# Altium PCB Beagle93.PCBDOC (part 3 of 7) (continued)
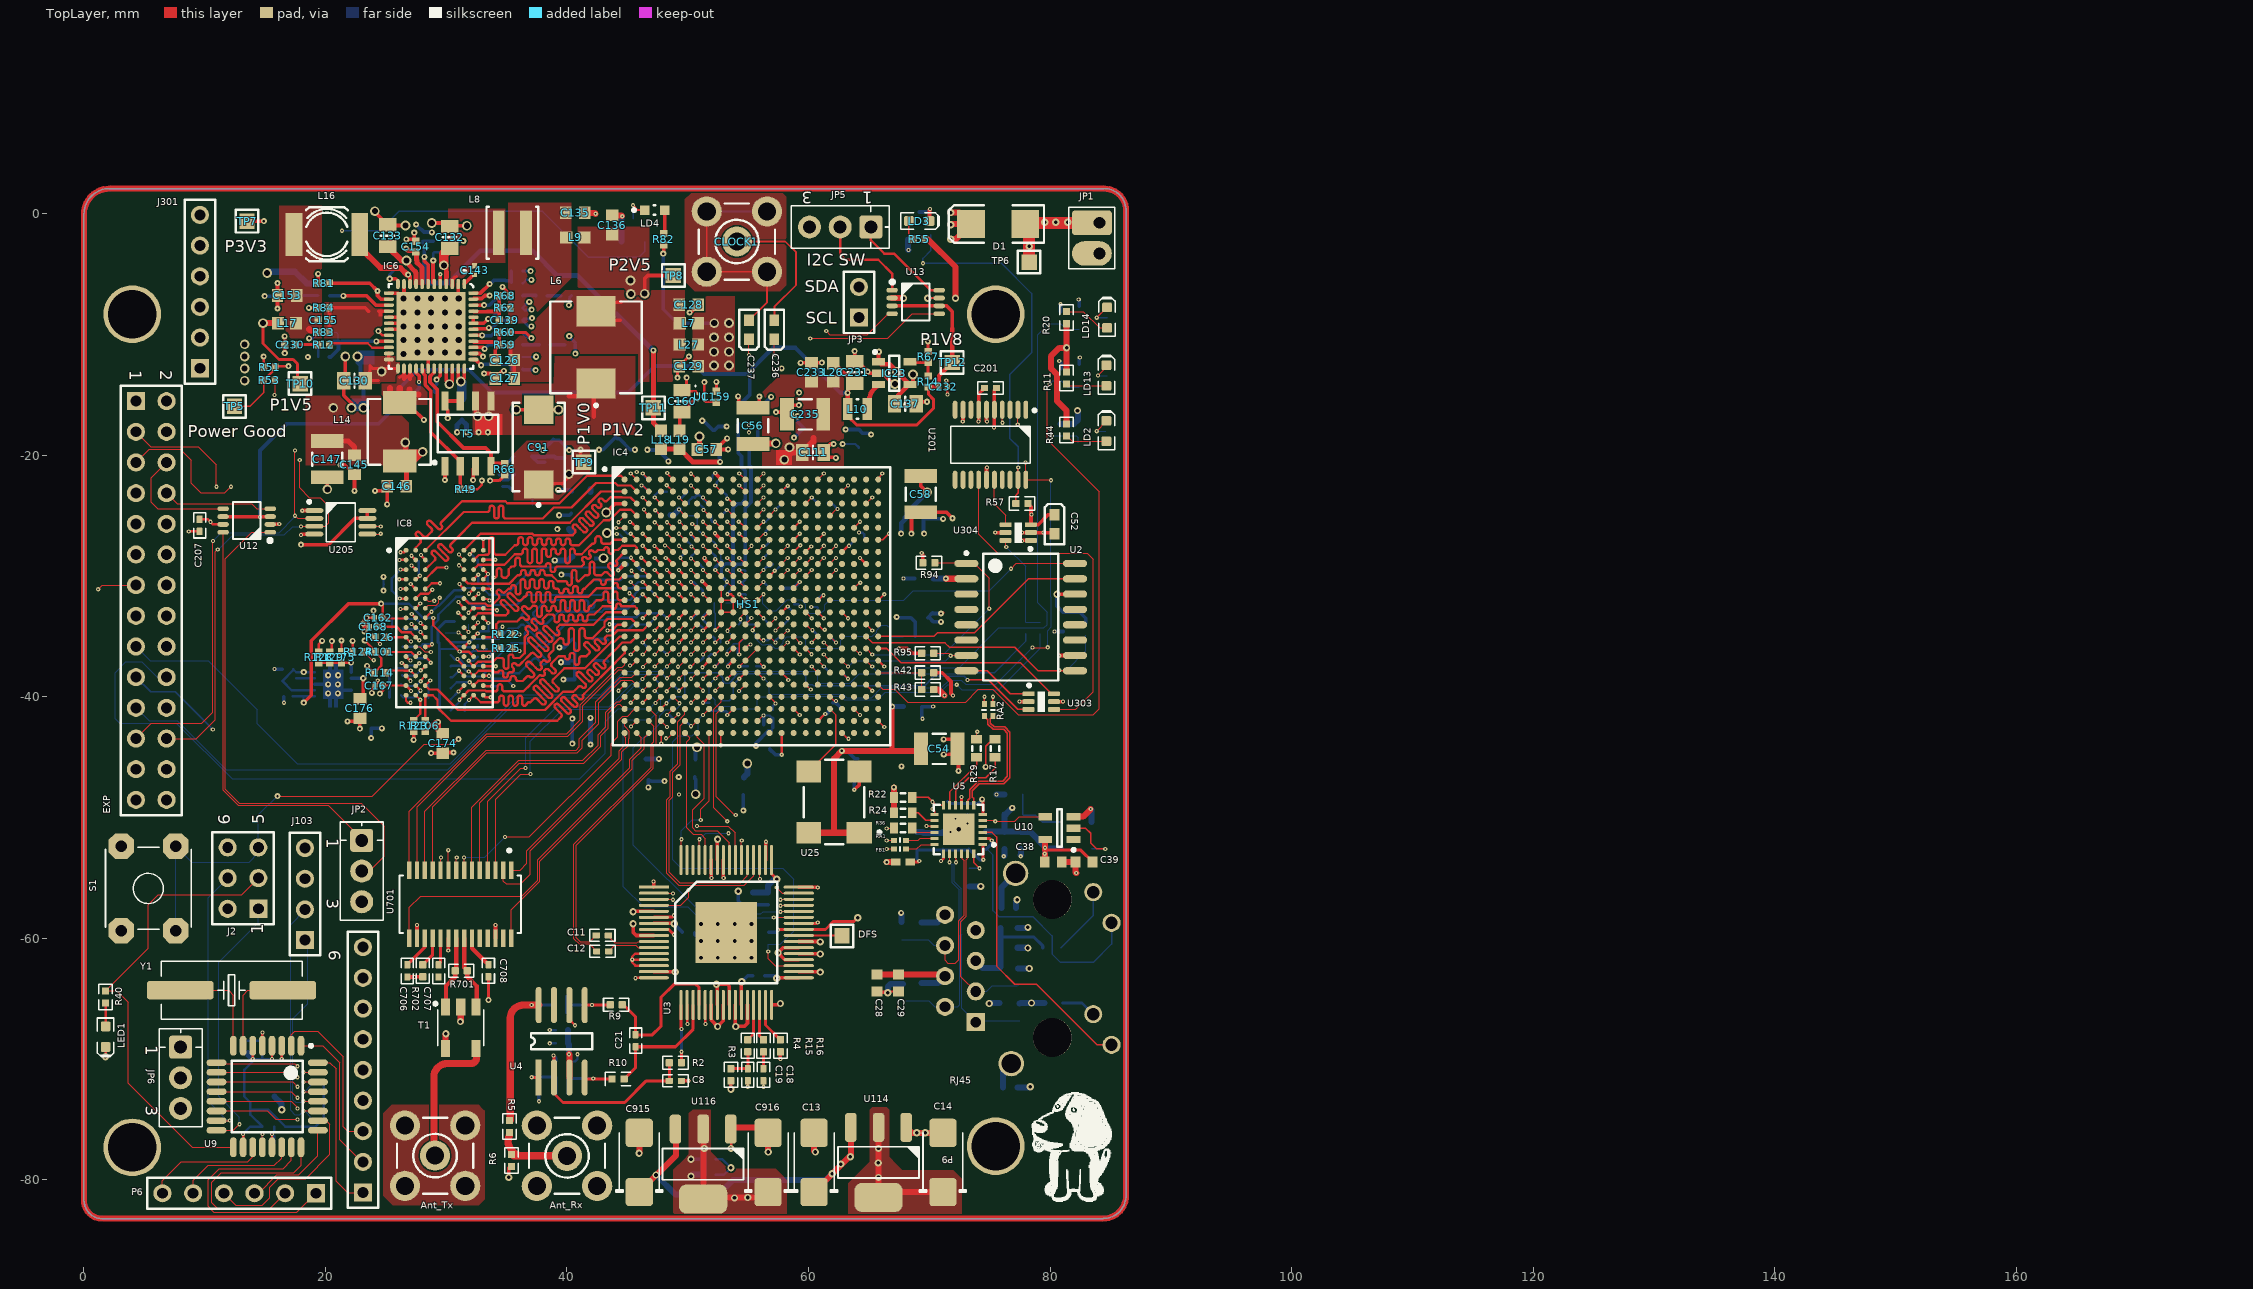
[diagram p0: TopLayer view]
## Nets (pads, with @x,y where several pads share a name; then routed paths per layer and width w, separated by ;. In a path a pad name is that pad's centre, name@x,y a point inside that pad or via, vN(x,y) a via of type N, cw(c..) or ccw(c..) an arc to the next point about the centre after c; other vN are vias at no path point) (continued)
  BottomLayer w0.19: R108.1@30.37,-40.18 v1(31.01,-39.54)
DDR3_A12: IC4.L3 IC8.N7 R107.1 | length 24
  TopLayer w0.19: v1(30.935,-36.865) 30.935,-36.919 IC8.N7@31.467,-37.451 ; v1(46.272,-31.485) IC4.L3@46.772,-31.985
  BottomLayer w0.19: R107.1@30.37,-36.525 30.775,-36.93 30.869,-36.93 v1(30.935,-36.865) 31.087,-36.865 31.642,-37.42 32.034,-37.42 32.039,-37.425 32.85,-37.425 32.85,-37.4 33.175,-37.075 33.85,-37.075 35.375,-35.55 36.701,-35.55 ccw(c36.492,-35.341) 36.701,-35.133 36.587,-35.019 cw(c36.796,-34.81) 36.587,-34.602 cw(c36.796,-34.81) 37.004,-34.602 37.327,-34.924 37.833,-35.431 ccw(c38.042,-35.222) 38.25,-35.431 ccw(c38.042,-35.222) 38.25,-35.013 37.744,-34.507 37.534,-34.298 cw(c37.743,-34.089) 37.534,-33.88 cw(c37.743,-34.089) 37.952,-33.88 ; 37.952,-33.881 ccw(c38.161,-33.673) 38.37,-33.881 38.426,-33.825 39.311,-32.94 42.875,-32.94 43.115,-32.7 45.057,-32.7 v1(46.272,-31.485)
DDR3_A13: IC4.R1 IC8.T3 R106.1 | length 28.4
  TopLayer w0.19: R106.1@28.25,-41.93 28.27,-41.91 IC8.T3@28.27,-39.854 ; IC8.T3@28.267,-39.851 28.876,-39.851 29.283,-40.258 29.283,-40.867 30.391,-41.975 32.4,-41.975 39,-41.975 39.188,-41.975 39.363,-41.8 39.501,-41.662 ccw(c39.363,-41.524) 39.501,-41.386 39.018,-40.903 cw(c39.155,-40.765) 39.018,-40.627 cw(c39.155,-40.765) 39.293,-40.627 39.915,-41.248 39.992,-41.325 ccw(c40.13,-41.187) 40.268,-41.325 ccw(c40.13,-41.187) 40.268,-41.05 40.191,-40.972 39.569,-40.351 cw(c39.707,-40.213) 39.569,-40.075 cw(c39.707,-40.213) 39.845,-40.075 40.466,-40.697 40.541,-40.771 ccw(c40.679,-40.633) 40.817,-40.771 ccw(c40.679,-40.633) 40.817,-40.495 40.742,-40.421 40.495,-40.174 cw(c40.633,-40.036) 40.495,-39.898 cw(c40.633,-40.036) 40.771,-39.898 41.018,-40.145 ccw(c41.14,-40.023) 41.262,-40.145 41.294,-40.113 ccw(c41.172,-39.991) 41.294,-39.869 41.432,-39.732 44.057,-37.107 44.057,-37.087 44.772,-36.371 IC4.R1@44.772,-35.985
DDR3_A14: IC4.N3 IC8.T7 R105.1 | length 26.9
  TopLayer w0.19: v1(31.093,-40.225) IC8.T7@31.467,-39.851 31.851,-39.467 33.226,-39.467 33.294,-39.535 34.05,-39.535 ccw(c34.05,-39.34) 34.245,-39.34 34.245,-39.145 cw(c34.44,-39.145) 34.44,-38.95 cw(c34.44,-39.145) 34.635,-39.145 34.635,-39.34 ccw(c34.83,-39.34) 34.83,-39.535 35.025,-39.535 35.415,-39.535 35.805,-39.535 36.195,-39.535 36.39,-39.535 36.528,-39.397 36.804,-39.121 37.013,-38.912 37.488,-38.437 37.55,-38.375 37.721,-38.204 cw(c37.778,-38.261) 37.836,-38.204 ccw(c37.973,-38.066) 38.111,-38.204 ccw(c37.973,-38.066) 38.111,-37.928 cw(c38.169,-37.871) 38.111,-37.814 38.192,-37.733 cw(c38.33,-37.871) 38.468,-37.733 38.736,-38.001 ccw(c38.874,-37.864) 39.012,-38.001 ccw(c38.874,-37.864) 39.012,-37.726 38.743,-37.457 cw(c38.881,-37.319) 38.743,-37.182 38.881,-37.044 39.157,-36.768 39.295,-36.63 39.45,-36.63 39.781,-36.63 cw(c39.781,-36.689) 39.84,-36.689 ccw(c40.035,-36.689) 40.035,-36.884 ccw(c40.035,-36.689) 40.23,-36.689 40.23,-36.63 40.23,-36.55 cw(c40.425,-36.55) 40.425,-36.355 cw(c40.425,-36.55) 40.62,-36.55 40.62,-36.63 40.62,-37.151 ccw(c40.815,-37.151) 40.815,-37.346 ccw(c40.815,-37.151) 41.01,-37.151 41.01,-36.825 cw(c41.205,-36.825) 41.205,-36.63 41.4,-36.63 41.595,-36.63 41.683,-36.542 41.821,-36.404 ccw(c41.683,-36.266) 41.821,-36.128 41.486,-35.793 cw(c41.624,-35.655) 41.486,-35.517 cw(c41.624,-35.655) 41.762,-35.517 42.235,-35.99 42.343,-36.098 ccw(c42.48,-35.96) 42.618,-36.098 ccw(c42.48,-35.96) 42.618,-35.822 42.511,-35.714 42.358,-35.562 cw(c42.496,-35.424) 42.358,-35.286 cw(c42.496,-35.424) 42.634,-35.286 42.786,-35.439 42.894,-35.546 ccw(c43.032,-35.408) 43.17,-35.546 ccw(c43.032,-35.408) 43.17,-35.271 cw(c43.278,-35.163) 43.17,-35.055 43.2,-35.025 43.316,-34.909 43.759,-34.909 44.184,-34.485 46.272,-34.485 IC4.N3@46.772,-33.985
  BottomLayer w0.19: R105.1@30.37,-41.125 31.093,-40.402 v1(31.093,-40.225)
DDR3_BA0: IC4.L5 IC8.M2 R101.1 | length 26.5
  TopLayer w0.19: R101.1@25.051,-36.281 26.494,-36.281 26.508,-36.267 26.826,-36.267 26.84,-36.281 27.097,-36.281 IC8.M2@27.467,-36.651 27.753,-36.365 v1(27.76,-36.365) ; v1(48.272,-31.485) IC4.L5@48.772,-31.985
  SignalLayer1 w0.24: v1(27.76,-36.365) 27.76,-35.969 28.23,-35.499 28.23,-35.495 30.175,-33.55 32.2,-33.55 32.425,-33.325 35.225,-33.325 37.575,-33.325 42.025,-33.325 42.675,-32.675 45.672,-32.675 45.972,-32.375 47.382,-32.375 v1(48.272,-31.485)
  BottomLayer w0.19: v1(48.272,-31.485) v1@48.272,-31.472
DDR3_BA1: IC4.M2 IC8.N8 R100.1 | length 26.5
  TopLayer w0.19: v1(31.861,-37) 31.861,-37.045 IC8.N8@32.267,-37.451 32.647,-37.071 32.904,-37.071 32.908,-37.067 33.226,-37.067 33.23,-37.071 33.887,-37.071 34.183,-36.775 34.378,-36.775 34.573,-36.775 cw(c34.573,-36.97) 34.768,-36.97 34.768,-37.476 ccw(c34.963,-37.476) 34.963,-37.671 ccw(c34.963,-37.476) 35.158,-37.476 35.158,-36.775 35.158,-36.67 cw(c35.353,-36.67) 35.353,-36.475 cw(c35.353,-36.67) 35.548,-36.67 ccw(c35.653,-36.67) 35.653,-36.775 35.938,-36.775 36.094,-36.775 36.5,-36.369 36.5,-36.174 36.5,-35.784 36.5,-35.65 36.5,-35.05 36.525,-35.025 36.583,-34.967 36.721,-34.829 ccw(c36.583,-34.691) 36.721,-34.553 36.639,-34.471 cw(c36.777,-34.333) 36.639,-34.195 cw(c36.777,-34.333) 36.915,-34.195 37.135,-34.415 37.166,-34.447 ccw(c37.304,-34.309) 37.442,-34.447 ccw(c37.304,-34.309) 37.442,-34.171 37.411,-34.139 37.126,-33.855 cw(c37.264,-33.717) 37.126,-33.579 cw(c37.264,-33.717) 37.402,-33.579 37.686,-33.864 37.718,-33.895 ccw(c37.856,-33.757) 37.994,-33.895 ccw(c37.856,-33.757) 37.994,-33.619 cw(c38.025,-33.588) 37.994,-33.556 38.1,-33.45 38.375,-33.175 38.57,-33.175 38.765,-33.175 cw(c38.765,-33.37) 38.96,-33.37 38.96,-33.619 ccw(c39.155,-33.619) 39.155,-33.814 ccw(c39.155,-33.619) 39.35,-33.619 39.35,-33.37 cw(c39.545,-33.37) 39.545,-33.175 cw(c39.545,-33.37) 39.74,-33.37 39.74,-33.551 ccw(c39.935,-33.551) 39.935,-33.746 ccw(c39.935,-33.551) 40.13,-33.551 40.13,-33.37 cw(c40.325,-33.37) 40.325,-33.175 cw(c40.325,-33.37) 40.52,-33.37 40.52,-33.551 ccw(c40.715,-33.551) 40.715,-33.746 ccw(c40.715,-33.551) 40.91,-33.551 40.91,-33.37 cw(c41.105,-33.37) 41.105,-33.175 cw(c41.105,-33.37) 41.3,-33.37 41.3,-33.551 ccw(c41.495,-33.551) 41.495,-33.746 ccw(c41.495,-33.551) 41.69,-33.551 41.69,-33.37 cw(c41.885,-33.37) 41.885,-33.175 42.08,-33.175 42.15,-33.175 42.255,-33.175 42.951,-32.479 43.1,-32.479 43.295,-32.479 43.653,-32.479 cw(c43.653,-32.511) 43.685,-32.511 ccw(c43.88,-32.511) 43.88,-32.706 ccw(c43.88,-32.511) 44.075,-32.511 44.075,-32.479 44.075,-32.449 cw(c44.27,-32.449) 44.27,-32.254 cw(c44.27,-32.449) 44.465,-32.449 ccw(c44.495,-32.449) 44.495,-32.479 44.855,-32.479 44.975,-32.479 45.604,-32.479 45.772,-32.647 IC4.M2@45.772,-32.985
  BottomLayer w0.19: v1(31.861,-37) 32.263,-37 R100.1@32.605,-36.659
DDR3_BA2: IC4.N4 IC8.M3 R99.1 | length 26.9
  TopLayer w0.19: IC8.M3@28.267,-36.651 28.724,-37.107 v1(28.724,-37.165) ; v1(47.272,-34.485) IC4.N4@47.772,-33.985
  SignalLayer1 w0.24: v1(28.724,-37.165) 28.724,-37.002 29.512,-36.213 29.512,-35.338 30.675,-34.175 30.68,-34.18 32.034,-34.18 32.149,-34.295 32.794,-34.295 33.134,-34.635 35.636,-34.635 35.891,-34.38 36.259,-34.38 36.379,-34.5 36.975,-34.5 ccw(c36.975,-34.23) 37.245,-34.23 cw(c37.515,-34.23) 37.515,-33.96 cw(c37.515,-34.23) 37.785,-34.23 37.785,-34.5 37.785,-34.78 ccw(c38.055,-34.78) 38.055,-35.05 ccw(c38.055,-34.78) 38.325,-34.78 38.325,-34.77 cw(c38.595,-34.77) 38.595,-34.5 39.33,-34.5 42.281,-34.5 43.251,-33.53 45.598,-33.53 46.068,-34 46.825,-34 47.272,-34.447 v1(47.272,-34.485)
  BottomLayer w0.19: R99.1@26.59,-36.58 26.615,-36.555 27.356,-36.555 27.586,-36.785 28.313,-36.785 28.693,-37.165 v1(28.724,-37.165)
DDR3_CAS_N: IC4.J6 IC8.K3 R103.1 | length 26.4
  TopLayer w0.19: v1(27.86,-34.615) 27.86,-34.644 IC8.K3@28.267,-35.051 ; v1(49.272,-29.485) IC4.J6@49.772,-29.985
  MidLayer2 w0.24: v1(27.86,-34.615) 29.26,-34.615 30.405,-33.47 32.255,-33.47 32.45,-33.275 35.15,-33.275 36.95,-31.475 41.8,-31.475 42.325,-30.95 44.125,-30.95 45.1,-29.975 45.133,-29.975 45.153,-29.995 48.762,-29.995 v1(49.272,-29.485)
  BottomLayer w0.19: R103.1@26.445,-34.35 26.48,-34.385 27.63,-34.385 v1(27.86,-34.615)
DDR3_CK_N: IC4.P4 IC8.K7 R121.2 | length 25.2
  TopLayer w0.095: v1@31.081,-34.665 IC8.K7@31.467,-35.051 ; v1(47.275,-35.425) 47.332,-35.425 IC4.P4@47.772,-34.985
  SignalLayer1 w0.115: v1(31.01,-34.665) 31.427,-35.082 32.068,-35.082 32.292,-35.306 32.292,-35.547 32.92,-36.175 34.568,-36.175 35.287,-36.894 36.331,-36.894 36.59,-36.635 40.306,-36.635 cw(c40.306,-36.775) 40.446,-36.775 40.446,-37.02 ccw(c40.821,-37.02) 41.196,-37.02 41.196,-35.479 cw(c41.336,-35.479) 41.476,-35.479 41.476,-37.02 ccw(c41.851,-37.02) 42.226,-37.02 42.226,-36.775 cw(c42.366,-36.775) 42.366,-36.635 42.59,-36.635 44.123,-35.103 46.889,-35.103 47.212,-35.425 v1(47.275,-35.425)
  BottomLayer w0.095: R121.2@29.925,-34.695 v1@30.979,-34.695
DDR3_CK_P: IC4.P5 IC8.J7 R120.2 | length 25.1
  TopLayer w0.095: IC8.J7@31.467,-34.251 31.472,-34.251 31.846,-34.625 v1(31.85,-34.625) ; v1(48.272,-35.485) IC4.P5@48.772,-34.985
  SignalLayer1 w0.115: v1(31.85,-34.625) 32.072,-34.847 32.166,-34.847 32.527,-35.209 32.527,-35.45 33.017,-35.94 34.665,-35.94 35.384,-36.659 36.234,-36.659 36.493,-36.4 40.306,-36.4 cw(c40.306,-36.775) 40.681,-36.775 40.681,-37.02 ccw(c40.821,-37.02) 40.961,-37.02 40.961,-35.479 cw(c41.336,-35.479) 41.711,-35.479 41.711,-37.02 ccw(c41.851,-37.02) 41.991,-37.02 41.991,-36.775 cw(c42.366,-36.775) 42.366,-36.4 42.493,-36.4 44.025,-34.868 47.114,-34.868 47.289,-35.043 47.433,-35.043 47.658,-35.267 47.658,-35.333 47.81,-35.485 v1(48.272,-35.485)
  BottomLayer w0.095: v1(31.85,-34.625) R120.2@31.85,-33.98
DDR3_CKE: IC4.L1 IC8.K9 R122.2 | length 25.4
  TopLayer w0.19: IC8.K9@33.067,-35.051 34.279,-35.051 R122.2@34.505,-34.825 34.15,-34.47 34.15,-33.968 34.368,-33.75 35.2,-33.75 35.875,-33.75 36.013,-33.612 36.151,-33.474 cw(c36.289,-33.612) 36.427,-33.474 36.522,-33.569 ccw(c36.66,-33.431) 36.798,-33.569 ccw(c36.66,-33.431) 36.798,-33.293 36.565,-33.06 36.321,-32.816 cw(c36.459,-32.678) 36.321,-32.54 cw(c36.459,-32.678) 36.597,-32.54 36.703,-32.646 ccw(c36.841,-32.509) 36.979,-32.646 37.116,-32.509 37.125,-32.5 37.175,-32.45 37.324,-32.45 cw(c37.324,-32.645) 37.519,-32.645 37.519,-33.165 ccw(c37.714,-33.165) 37.714,-33.36 ccw(c37.714,-33.165) 37.909,-33.165 37.909,-32.645 cw(c38.104,-32.645) 38.104,-32.45 cw(c38.104,-32.645) 38.299,-32.645 38.299,-32.701 ccw(c38.494,-32.701) 38.494,-32.896 ccw(c38.494,-32.701) 38.689,-32.701 38.689,-32.645 cw(c38.884,-32.645) 38.884,-32.45 cw(c38.884,-32.645) 39.079,-32.645 39.079,-32.701 ccw(c39.274,-32.701) 39.274,-32.896 ccw(c39.274,-32.701) 39.469,-32.701 39.469,-32.45 39.469,-32.174 cw(c39.664,-32.174) 39.664,-31.979 cw(c39.664,-32.174) 39.859,-32.174 39.859,-32.45 39.859,-32.701 ccw(c40.054,-32.701) 40.054,-32.896 ccw(c40.054,-32.701) 40.249,-32.701 40.249,-32.45 40.249,-32.174 cw(c40.444,-32.174) 40.444,-31.979 cw(c40.444,-32.174) 40.639,-32.174 40.639,-32.45 40.639,-32.701 ccw(c40.834,-32.701) 40.834,-32.896 ccw(c40.834,-32.701) 41.029,-32.701 41.029,-32.45 41.029,-32.174 cw(c41.224,-32.174) 41.224,-31.979 cw(c41.224,-32.174) 41.419,-32.174 41.419,-32.45 41.419,-32.701 ccw(c41.614,-32.701) 41.614,-32.896 ccw(c41.614,-32.701) 41.809,-32.701 41.809,-32.645 cw(c42.004,-32.645) 42.004,-32.45 42.469,-31.985 42.627,-31.985 42.822,-31.985 ccw(c42.822,-31.79) 43.017,-31.79 43.017,-31.459 cw(c43.212,-31.459) 43.212,-31.264 cw(c43.212,-31.459) 43.407,-31.459 43.407,-31.985 43.407,-32.005 ccw(c43.602,-32.005) 43.602,-32.2 ccw(c43.602,-32.005) 43.797,-32.005 43.797,-31.985 43.797,-31.459 cw(c43.992,-31.459) 43.992,-31.264 cw(c43.992,-31.459) 44.187,-31.459 44.187,-31.79 ccw(c44.382,-31.79) 44.382,-31.985 44.577,-31.985 IC4.L1@44.772,-31.985
DDR3_DQ0: IC4.G3 IC8.E3 | length 21
  TopLayer w0.19: IC8.E3@28.267,-31.051 28.291,-31.075 28.791,-30.575 v1(29.475,-30.575) ; v1(46.272,-27.485) IC4.G3@46.772,-27.985
  SignalLayer1 w0.24: v1(29.475,-30.575) 29.475,-29.196 30.016,-28.655 32.84,-28.655 33.345,-28.15 41.705,-28.15 42.025,-27.83 44.643,-27.83 44.988,-27.485 v1(46.272,-27.485)
DDR3_DQ1: IC4.J1 IC8.F7 | length 23.6
  TopLayer w0.19: IC8.F7@31.467,-31.851 31.875,-32.259 33.236,-32.259 33.411,-32.435 33.759,-32.435 33.927,-32.266 34.203,-31.99 34.341,-31.852 ccw(c34.203,-31.714) 34.341,-31.577 34.219,-31.454 cw(c34.356,-31.316) 34.219,-31.178 cw(c34.356,-31.316) 34.494,-31.178 34.617,-31.301 ; 34.617,-31.301 ccw(c34.755,-31.163) 34.893,-31.301 35.03,-31.163 35.168,-31.025 35.271,-31.025 ccw(c35.271,-30.933) 35.363,-30.933 cw(c35.558,-30.933) 35.558,-30.738 cw(c35.558,-30.933) 35.753,-30.933 35.753,-31.025 35.753,-31.31 ccw(c35.948,-31.31) 35.948,-31.505 ccw(c35.948,-31.31) 36.143,-31.31 36.143,-31.025 36.143,-30.436 cw(c36.338,-30.436) 36.338,-30.241 cw(c36.338,-30.436) 36.533,-30.436 36.533,-30.83 ccw(c36.728,-30.83) 36.728,-31.025 ccw(c36.728,-30.83) 36.923,-30.83 36.923,-30.436 cw(c37.118,-30.436) 37.118,-30.241 cw(c37.118,-30.436) 37.313,-30.436 37.313,-30.83 ccw(c37.508,-30.83) 37.508,-31.025 ccw(c37.508,-30.83) 37.703,-30.83 37.703,-30.436 cw(c37.898,-30.436) 37.898,-30.241 cw(c37.898,-30.436) 38.093,-30.436 38.093,-30.83 ccw(c38.288,-30.83) 38.288,-31.025 ccw(c38.288,-30.83) 38.483,-30.83 38.483,-30.586 cw(c38.678,-30.586) 38.678,-30.391 cw(c38.678,-30.586) 38.873,-30.586 38.873,-30.83 ccw(c39.068,-30.83) 39.068,-31.025 39.15,-31.025 39.175,-31.025 cw(c39.175,-31.183) 39.333,-31.183 39.333,-31.226 ccw(c39.528,-31.226) 39.528,-31.421 ccw(c39.528,-31.226) 39.723,-31.226 39.723,-31.22 cw(c39.918,-31.22) 39.918,-31.025 cw(c39.918,-31.22) 40.113,-31.22 40.113,-31.226 ccw(c40.308,-31.226) 40.308,-31.421 ccw(c40.308,-31.226) 40.503,-31.226 40.503,-31.025 40.503,-31.003 cw(c40.698,-31.003) 40.698,-30.808 cw(c40.698,-31.003) 40.893,-31.003 40.893,-31.025 40.893,-31.226 ccw(c41.088,-31.226) 41.088,-31.421 ccw(c41.088,-31.226) 41.283,-31.226 41.283,-31.22 cw(c41.478,-31.22) 41.478,-31.025 42.228,-30.275 42.423,-30.275 42.618,-30.275 cw(c42.618,-30.47) 42.813,-30.47 42.813,-30.511 ccw(c43.008,-30.511) 43.008,-30.706 ccw(c43.008,-30.511) 43.203,-30.511 43.203,-30.47 cw(c43.398,-30.47) 43.398,-30.275 43.593,-30.275 43.9,-30.275 44.327,-30.275 44.617,-29.985 IC4.J1@44.772,-29.985
DDR3_DQ2: IC4.H4 IC8.F2 | length 22.8
  TopLayer w0.19: IC8.F2@27.467,-31.851 27.868,-31.45 28.525,-31.45 v1(28.85,-31.125) ; v1(47.272,-28.485) IC4.H4@47.772,-28.985
  MidLayer2 w0.24: v1(28.85,-31.125) 31.564,-31.125 31.691,-30.998 33.064,-30.998 33.626,-31.559 34.191,-31.559 36.5,-29.25 43.625,-29.25 44.9,-27.975 46.762,-27.975 v1(47.272,-28.485)
DDR3_DQ3: IC4.H5 IC8.F8 | length 21.3
  TopLayer w0.19: IC8.F8@32.267,-31.851 v1(32.673,-31.445) ; v1@48.272,-28.485 IC4.H5@48.772,-28.985
  SignalLayer1 w0.24: v1(32.673,-31.445) 32.798,-31.569 32.802,-31.565 36.475,-31.565 ccw(c36.475,-31.325) 36.715,-31.325 36.715,-31.296 cw(c36.955,-31.296) 36.955,-31.056 cw(c36.955,-31.296) 37.195,-31.296 37.195,-31.565 37.195,-31.761 ccw(c37.435,-31.761) 37.435,-32.001 ccw(c37.435,-31.761) 37.675,-31.761 37.675,-31.565 37.675,-31.296 cw(c37.915,-31.296) 37.915,-31.056 cw(c37.915,-31.296) 38.155,-31.296 38.155,-31.565 38.155,-31.761 ccw(c38.395,-31.761) 38.395,-32.001 ccw(c38.395,-31.761) 38.635,-31.761 38.635,-31.805 cw(c38.875,-31.805) 38.875,-31.565 39.575,-31.565 40.91,-31.565 41.545,-30.93 41.95,-30.93 45.375,-30.93 45.456,-30.93 45.827,-30.559 45.827,-30.301 46.143,-29.985 46.401,-29.985 46.717,-29.669 46.717,-29.308 47.05,-28.975 47.675,-28.975 48.165,-28.485 v1(48.172,-28.485)
DDR3_DQ4: IC4.H2 IC8.H3 | length 22
  TopLayer w0.19: IC8.H3@28.267,-33.451 28.27,-33.451 28.782,-32.94 v1(28.785,-32.94) ; v1@45.352,-28.565 IC4.H2@45.772,-28.985
  BottomLayer w0.19: v1(28.785,-32.94) 29.265,-32.459 29.384,-32.459 30.693,-31.15 31.3,-31.15 31.475,-30.975 33,-30.975 33.559,-31.534 34.987,-31.534 36.492,-30.029 ; v1@45.262,-28.475 44.45,-28.475 43.64,-29.285 38.288,-29.285 ; 36.492,-30.029 cw(c38.288,-31.825) 38.288,-29.285 ; 36.492,-30.029 cw(c38.288,-31.825) 38.288,-29.285
  other v1: 45.3,-28.475
DDR3_DQ5: IC4.K1 IC8.H8 | length 22.9
  TopLayer w0.19: IC8.H8@32.267,-33.451 32.651,-33.067 33.868,-33.067 34.036,-33.235 34.936,-33.235 35.086,-33.086 ccw(c34.948,-32.948) 35.086,-32.81 34.57,-32.294 cw(c34.708,-32.156) 34.57,-32.018 cw(c34.708,-32.156) 34.845,-32.018 35.499,-32.672 35.652,-32.825 ccw(c35.79,-32.687) 35.928,-32.825 ccw(c35.79,-32.687) 35.928,-32.549 35.775,-32.396 35.121,-31.742 cw(c35.259,-31.604) 35.121,-31.467 cw(c35.259,-31.604) 35.397,-31.467 35.913,-31.982 ccw(c36.051,-31.845) 36.189,-31.982 36.326,-31.845 36.4,-31.771 36.471,-31.7 ccw(c36.471,-31.505) 36.666,-31.505 36.666,-31.499 cw(c36.861,-31.499) 36.861,-31.304 cw(c36.861,-31.499) 37.056,-31.499 37.056,-31.7 37.056,-31.976 ccw(c37.251,-31.976) 37.251,-32.171 ccw(c37.251,-31.976) 37.446,-31.976 37.446,-31.7 37.446,-31.499 cw(c37.641,-31.499) 37.641,-31.304 cw(c37.641,-31.499) 37.836,-31.499 37.836,-31.7 37.836,-31.98 ccw(c38.031,-31.98) 38.031,-32.175 ccw(c38.031,-31.98) 38.226,-31.98 38.226,-31.7 38.226,-31.499 cw(c38.421,-31.499) 38.421,-31.304 cw(c38.421,-31.499) 38.616,-31.499 38.616,-31.7 38.616,-31.98 ccw(c38.811,-31.98) 38.811,-32.175 ccw(c38.811,-31.98) 39.006,-31.98 39.006,-31.895 cw(c39.201,-31.895) 39.201,-31.7 39.396,-31.7 39.775,-31.7 40,-31.7 41.779,-31.7 42.494,-30.985 43.1,-30.985 43.621,-30.985 ccw(c43.621,-30.79) 43.816,-30.79 43.816,-30.749 cw(c44.011,-30.749) 44.011,-30.554 cw(c44.011,-30.749) 44.206,-30.749 44.206,-30.79 ccw(c44.401,-30.79) 44.401,-30.985 44.596,-30.985 IC4.K1@44.772,-30.985
DDR3_DQ6: IC4.H3 IC8.G2 | length 21.3
  TopLayer w0.19: IC8.G2@27.467,-32.651 v1(27.85,-32.268) ; v1(46.15,-28.475) 46.175,-28.475 46.685,-28.985 IC4.H3@46.772,-28.985
  SignalLayer1 w0.24: v1(27.85,-32.268) 28.548,-31.57 29.034,-31.57 29.329,-31.275 29.825,-31.275 31.38,-29.72 31.905,-29.72 32.23,-29.395 33.147,-29.395 33.172,-29.369 37.95,-29.369 37.966,-29.386 39.279,-29.386 39.32,-29.344 39.751,-29.344 39.756,-29.35 41.5,-29.35 41.6,-29.45 43.671,-29.45 44.066,-29.055 45.225,-29.055 45.57,-29.055 v1(46.15,-28.475)
DDR3_DQ7: IC4.J5 IC8.H7 | length 20.4
  TopLayer w0.19: v1(31,-33.021) 31.019,-33.021 31.449,-33.451 IC8.H7@31.467,-33.451 ; v1(48.272,-29.485) IC4.J5@48.772,-29.985
  SignalLayer1 w0.24: v1(31,-33.021) 31.225,-33.021 31.786,-32.459 33.769,-32.459 33.859,-32.37 41.705,-32.37 42.15,-31.925 45.475,-31.925 45.827,-31.573 45.827,-31.301 46.143,-30.985 46.401,-30.985 46.717,-30.669 46.717,-30.411 47.096,-30.032 47.725,-30.032 v1(48.272,-29.485)
DDR3_DQ8: IC4.G1 IC8.D7 | length 22.5
  TopLayer w0.19: IC8.D7@31.467,-30.251 31.81,-30.594 32.068,-30.594 32.108,-30.635 35.186,-30.635 35.896,-29.925 35.925,-29.925 35.995,-29.925 ccw(c35.995,-29.73) 36.19,-29.73 36.19,-29.674 cw(c36.385,-29.674) 36.385,-29.479 cw(c36.385,-29.674) 36.58,-29.674 36.58,-29.73 ccw(c36.775,-29.73) 36.775,-29.925 ccw(c36.775,-29.73) 36.97,-29.73 36.97,-29.674 cw(c37.165,-29.674) 37.165,-29.479 cw(c37.165,-29.674) 37.36,-29.674 37.36,-29.73 ccw(c37.555,-29.73) 37.555,-29.925 ccw(c37.555,-29.73) 37.75,-29.73 37.75,-29.674 cw(c37.945,-29.674) 37.945,-29.479 cw(c37.945,-29.674) 38.14,-29.674 38.14,-29.73 ccw(c38.335,-29.73) 38.335,-29.925 38.53,-29.925 38.725,-29.925 39.225,-30.425 39.425,-30.425 39.62,-30.425 39.884,-30.425 cw(c39.884,-30.551) 40.01,-30.551 ccw(c40.205,-30.551) 40.205,-30.746 ccw(c40.205,-30.551) 40.4,-30.551 40.4,-30.425 40.4,-29.674 cw(c40.595,-29.674) 40.595,-29.479 cw(c40.595,-29.674) 40.79,-29.674 40.79,-30.23 ccw(c40.985,-30.23) 40.985,-30.425 40.996,-30.425 41.496,-29.925 41.68,-29.925 ccw(c41.68,-29.73) 41.875,-29.73 41.875,-29 cw(c42.07,-29) 42.07,-28.805 cw(c42.07,-29) 42.265,-29 42.265,-29.73 ccw(c42.46,-29.73) 42.46,-29.925 42.655,-29.925 42.85,-29.925 42.934,-29.841 43.072,-29.703 cw(c43.21,-29.841) 43.348,-29.703 43.567,-29.922 ccw(c43.705,-29.784) 43.843,-29.922 ccw(c43.705,-29.784) 43.843,-29.647 43.486,-29.289 43.454,-29.258 cw(c43.592,-29.12) 43.454,-28.982 cw(c43.592,-29.12) 43.73,-28.982 43.761,-29.014 43.836,-29.088 ccw(c43.974,-28.95) 44.112,-29.088 ccw(c43.974,-28.95) 44.112,-28.813 cw(c44.187,-28.738) 44.112,-28.663 44.175,-28.6 44.772,-28.003 IC4.G1@44.772,-27.985
DDR3_DQ9: IC4.B1 IC8.C3 | length 23.5
  TopLayer w0.19: IC8.C3@28.267,-29.451 29.043,-28.675 ccw(c28.909,-28.541) 29.043,-28.406 28.844,-28.207 cw(c28.978,-28.073) 28.844,-27.939 cw(c28.978,-28.073) 29.113,-27.939 29.446,-28.272 29.835,-28.661 ccw(c29.97,-28.527) 30.104,-28.661 ccw(c29.97,-28.527) 30.104,-28.392 29.715,-28.003 29.381,-27.67 cw(c29.516,-27.536) 29.381,-27.401 cw(c29.516,-27.536) 29.65,-27.401 29.983,-27.735 30.211,-27.962 ccw(c30.345,-27.827) 30.479,-27.962 ccw(c30.345,-27.827) 30.479,-27.693 30.387,-27.6 cw(c30.521,-27.466) 30.387,-27.332 30.972,-26.747 32.143,-25.575 40.225,-25.575 42.825,-22.975 44.762,-22.975 IC4.B1@44.772,-22.985
DDR3_DQ10: IC4.F1 IC8.C8 | length 23
  TopLayer w0.19: IC8.C8@32.267,-29.451 32.659,-29.059 33.863,-29.059 34.8,-29.059 35.679,-28.18 35.725,-28.18 35.951,-28.18 36.146,-28.18 ccw(c36.146,-27.985) 36.341,-27.985 36.341,-27.899 cw(c36.536,-27.899) 36.536,-27.704 cw(c36.536,-27.899) 36.731,-27.899 36.731,-28.18 36.731,-28.726 ccw(c36.926,-28.726) 36.926,-28.921 ccw(c36.926,-28.726) 37.121,-28.726 37.121,-28.18 37.121,-27.899 cw(c37.316,-27.899) 37.316,-27.704 cw(c37.316,-27.899) 37.511,-27.899 37.511,-28.18 37.511,-28.726 ccw(c37.706,-28.726) 37.706,-28.921 ccw(c37.706,-28.726) 37.901,-28.726 37.901,-28.18 37.901,-27.899 cw(c38.096,-27.899) 38.096,-27.704 cw(c38.096,-27.899) 38.291,-27.899 38.291,-28.18 38.291,-28.213 ccw(c38.486,-28.213) 38.486,-28.408 ccw(c38.486,-28.213) 38.681,-28.213 38.681,-28.18 38.681,-27.899 cw(c38.876,-27.899) 38.876,-27.704 cw(c38.876,-27.899) 39.071,-27.899 39.071,-27.985 ccw(c39.266,-27.985) 39.266,-28.18 ccw(c39.266,-27.985) 39.461,-27.985 39.461,-27.899 cw(c39.656,-27.899) 39.656,-27.704 cw(c39.656,-27.899) 39.851,-27.899 39.851,-28.18 39.851,-28.726 ccw(c40.046,-28.726) 40.046,-28.921 ccw(c40.046,-28.726) 40.241,-28.726 40.241,-28.18 40.241,-27.899 cw(c40.436,-27.899) 40.436,-27.704 cw(c40.436,-27.899) 40.631,-27.899 40.631,-27.985 ccw(c40.826,-27.985) 40.826,-28.18 41.021,-28.18 41.216,-28.18 41.643,-27.753 42.076,-27.32 42.097,-27.32 ccw(c42.097,-27.075) 42.342,-27.075 42.342,-26.933 cw(c42.587,-26.933) 42.587,-26.688 cw(c42.587,-26.933) 42.832,-26.933 42.832,-27.075 ccw(c43.077,-27.075) 43.077,-27.32 43.322,-27.32 43.567,-27.32 43.902,-26.985 IC4.F1@44.772,-26.985
DDR3_DQ11: IC4.F3 IC8.C2 | length 22
  TopLayer w0.19: v1(27.125,-29.109) IC8.C2@27.467,-29.451 ; v1(46.272,-26.485) IC4.F3@46.772,-26.985
  MidLayer2 w0.24: v1(27.125,-29.109) 28.184,-29.109 28.9,-29.825 31.35,-29.825 33.4,-27.775 42.897,-27.775 43.697,-26.975 45.782,-26.975 v1(46.272,-26.485)
DDR3_DQ12: IC4.C2 IC8.A7 | length 23.5
  TopLayer w0.19: IC8.A7@31.467,-27.851 32.83,-26.488 37.138,-26.488 37.245,-26.595 40.468,-26.595 40.642,-26.421 ccw(c40.508,-26.286) 40.642,-26.152 40.525,-26.035 cw(c40.66,-25.901) 40.525,-25.767 cw(c40.66,-25.901) 40.794,-25.767 41.045,-26.018 41.344,-26.316 ccw(c41.478,-26.182) 41.612,-26.316 ccw(c41.478,-26.182) 41.612,-26.047 41.314,-25.749 41.063,-25.498 cw(c41.197,-25.363) 41.063,-25.229 cw(c41.197,-25.363) 41.331,-25.229 41.583,-25.48 41.881,-25.779 ccw(c42.015,-25.644) 42.15,-25.779 ccw(c42.015,-25.644) 42.15,-25.51 41.851,-25.212 41.6,-24.96 cw(c41.734,-24.826) 41.6,-24.692 cw(c41.734,-24.826) 41.869,-24.692 42.12,-24.943 42.278,-25.101 ccw(c42.412,-24.966) 42.547,-25.101 ccw(c42.412,-24.966) 42.547,-24.832 42.389,-24.674 42.138,-24.423 cw(c42.272,-24.289) 42.138,-24.154 cw(c42.272,-24.289) 42.406,-24.154 42.523,-24.271 ccw(c42.657,-24.137) 42.792,-24.271 ccw(c42.657,-24.137) 42.792,-24.002 42.675,-23.886 cw(c42.809,-23.751) 42.675,-23.617 cw(c42.809,-23.751) 42.944,-23.617 43.06,-23.734 ccw(c43.195,-23.599) 43.329,-23.734 43.463,-23.599 43.598,-23.465 44.559,-23.465 44.569,-23.475 45.262,-23.475 IC4.C2@45.772,-23.985
DDR3_DQ13: IC4.A1 IC8.A2 | length 23.5
  TopLayer w0.19: IC8.A2@27.467,-27.851 27.467,-27.633 27.85,-27.25 ccw(c27.714,-27.114) 27.85,-26.979 27.53,-26.659 cw(c27.668,-26.521) 27.53,-26.383 cw(c27.668,-26.521) 27.806,-26.383 28.123,-26.701 ccw(c28.261,-26.563) 28.399,-26.701 28.537,-26.563 28.675,-26.425 28.773,-26.327 ccw(c28.635,-26.189) 28.773,-26.052 28.455,-25.734 cw(c28.593,-25.596) 28.455,-25.458 cw(c28.593,-25.596) 28.731,-25.458 29.186,-25.914 29.324,-26.052 ccw(c29.462,-25.914) 29.6,-26.052 ccw(c29.462,-25.914) 29.6,-25.776 cw(c29.738,-25.638) 29.6,-25.5 31.3,-23.8 34.9,-23.8 35.05,-23.95 39.375,-23.95 41.65,-21.675 44.462,-21.675 IC4.A1@44.772,-21.985